# Allegro board WeChat_ZM_PART_20200601.brd (continued)
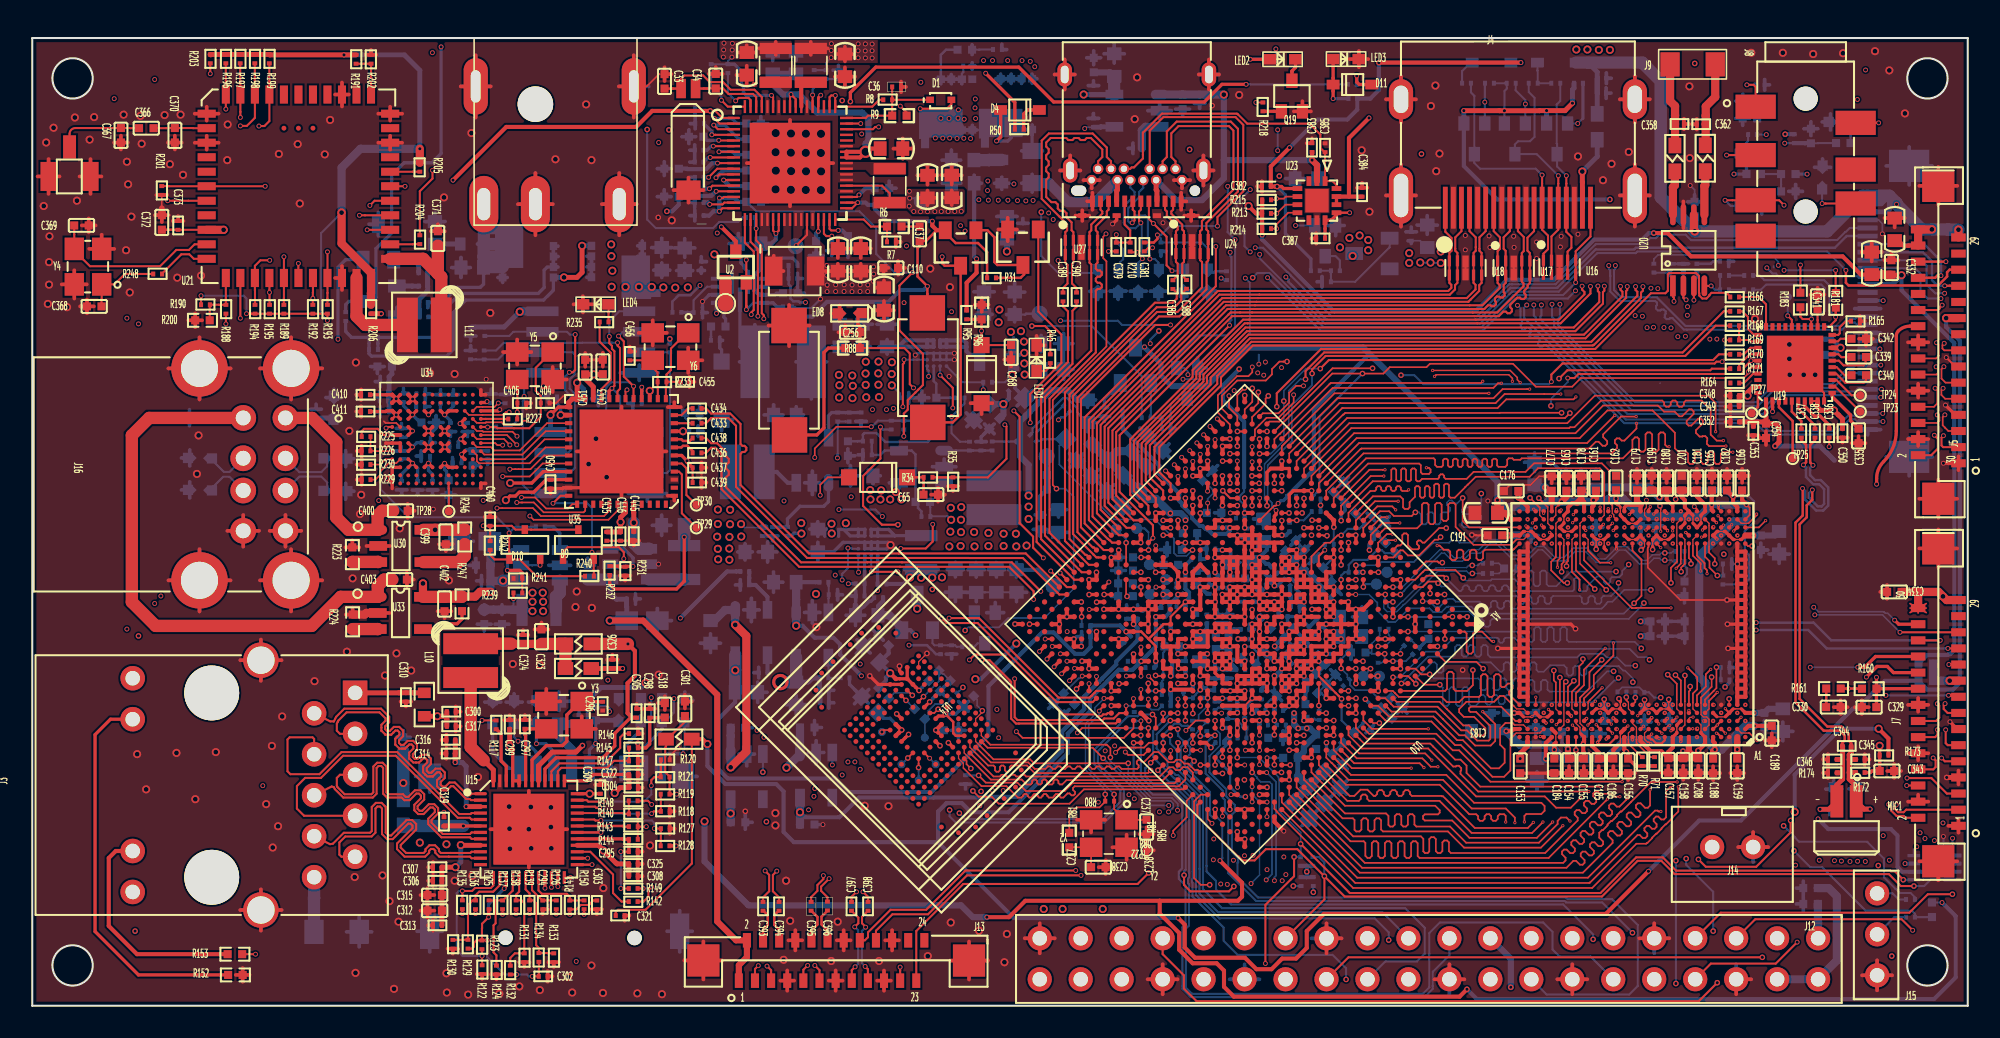
[diagram p0: board, top side]
## Routing (per net, layer and track width the routed paths; a pad name or vN(x,y) marks a point on that pad's centre or on a via; arc(x,y) is an arc through that point) (continued)
  SIG1 w0.076: 102.94,16.93 102.95,16.93 v3(102.95,17.18) 102.92,17.15 v4(102.92,16.92)
  SIG2 w0.076: v2(83.85,21.82) 84.61,22.58 85.14,22.58 88.77,18.95 90.16,18.95 90.27,18.83 90.27,18.15 90.55,17.88 91.03,17.88 91.3,18.15 91.3,18.83 91.42,18.95 95.39,18.95 96.73,17.61 98.68,17.61 99.11,18.04 102.18,18.04 102.64,17.58 102.64,17.23 102.71,17.17 102.71,17.13 v4(102.92,16.92)
  BOTTOM w0.102: R60.2 83.68,21.27 83.85,21.45 v2(83.85,21.82)
DDR1_CS0N: length 26.7
  TOP w0.102: v2(95.71,15.85) 95.71,16.47 95.71,16.47 U11.A22 ; U10.F12 v2(82.06,20.9)
  SIG2 w0.076: v2(95.71,15.85) 95.71,16.07 95.41,16.36 94.18,16.36 93.8,15.98 89.83,15.98 89.58,15.74 89.47,15.74 89.37,15.85 89.37,15.95 89.7,16.29 89.7,16.42 89.61,16.51 89.49,16.51 89.12,16.14 89,16.14 88.91,16.23 88.91,16.36 89.27,16.72 89.27,16.85 89.18,16.94 89.06,16.94 88.69,16.57 88.57,16.57 88.48,16.66 88.48,16.79 88.84,17.15 88.84,17.28 88.75,17.37 88.62,17.37 88.26,17.01 88.14,17.01 88.05,17.09 88.05,17.22 88.41,17.58 88.41,17.71 88.32,17.8 88.19,17.8 87.83,17.44 87.7,17.44 87.62,17.53 87.62,17.65 87.98,18.01 87.98,18.14 87.89,18.23 87.76,18.23 87.4,17.87 87.27,17.87 87.18,17.96 87.18,18.08 87.55,18.45 87.55,18.57 87.46,18.66 87.33,18.66 86.97,18.3 86.84,18.3 86.75,18.39 86.75,18.51 87.12,18.88 87.12,19 87.03,19.09 86.9,19.09 86.54,18.73 86.41,18.73 86.32,18.82 86.32,18.95 86.68,19.31 86.68,19.43 86.55,19.57 83.84,19.57 83.58,19.83 83.13,19.83 v2(82.06,20.9)
DDR1_CS1N: length 24.6
  TOP w0.076: v3(95.49,17.4) 95.71,17.18 U11.B22
  TOP w0.102: U10.A2 88.81,23.2 88.93,23.08 88.93,21.95 89.05,21.83 89.22,21.83 89.34,21.95 89.34,23.08 89.45,23.2 89.88,23.2 90.49,22.59 v3(90.6,22.59)
  SIG1 w0.076: v3(95.49,17.4) 95.61,17.51 95.61,17.89 95.3,18.19 95.3,19.16 93.31,21.15 93.31,22.17 93.4,22.26 93.54,22.26 93.62,22.35 93.62,22.48 93.54,22.57 93.4,22.57 93.31,22.66 93.31,22.78 93.4,22.87 93.54,22.87 93.62,22.96 93.62,23.09 93.54,23.18 93.4,23.18 93.31,23.27 93.31,23.57 93.23,23.65 93.12,23.65 93.04,23.57 93.04,22.67 92.97,22.59 92.86,22.59 92.78,22.67 92.78,23.57 92.7,23.65 92.59,23.65 92.51,23.57 92.51,22.67 92.43,22.59 92.32,22.59 92.24,22.67 92.24,23.57 92.17,23.65 92.06,23.65 91.98,23.57 91.98,22.67 91.9,22.59 91.79,22.59 91.71,22.67 91.71,23.57 91.63,23.65 91.52,23.65 91.44,23.57 91.44,22.67 91.37,22.59 91.26,22.59 91.18,22.67 91.18,23.57 91.1,23.65 90.99,23.65 90.91,23.57 90.91,22.67 90.83,22.59 v3(90.6,22.59)
DDR1_CS2N: length 26.8
  TOP w0.102: U10.F11 v2(82.51,21.36)
  SIG1 w0.076: 103.21,16.36 v4(103.17,16.32) ; 103.21,16.36 v3(103.21,16.66) ; 103.21,16.36 103.21,16.36 103.21,16.65
  SIG2 w0.076: v4(103.17,16.32) 101.97,16.32 101.06,17.23 96.58,17.23 96.43,17.38 94.8,17.38 93.7,16.28 91.08,16.28 89.8,17.56 89.67,17.56 89.4,17.29 89.27,17.29 89.19,17.38 89.19,17.5 89.46,17.78 89.46,17.9 89.37,17.99 89.24,17.99 88.97,17.72 88.84,17.72 88.75,17.81 88.75,17.94 89.03,18.21 89.03,18.34 88.94,18.43 88.81,18.43 88.6,18.22 88.49,18.22 86.28,20.43 84.75,20.43 84.49,20.68 84.07,20.68 83.39,21.36 v2(82.51,21.36)
DDR1_CS3N: length 24.4
  TOP w0.076: U11.B7 103.25,17.2 v3(103.25,17.2)
  TOP w0.102: U10.B3 v2(87.58,22.74)
  SIG1 w0.076: v3(103.25,17.2) 103.4,17.36 103.4,18.17 102.08,19.49 v4(100.69,19.49)
  SIG2 w0.076: v2(87.58,22.74) 87.58,21.29 89.24,19.64 89.36,19.64 89.45,19.73 89.45,20.08 89.54,20.17 89.67,20.17 89.76,20.08 89.76,19.73 89.85,19.64 89.97,19.64 90.06,19.73 90.06,20.08 90.15,20.17 90.28,20.17 90.37,20.08 90.37,19.73 90.46,19.64 90.58,19.64 90.67,19.73 90.67,20.08 90.76,20.17 90.89,20.17 90.98,20.08 90.98,19.73 91.06,19.64 91.19,19.64 91.28,19.73 91.28,20.08 91.37,20.17 91.5,20.17 91.59,20.08 91.59,19.73 91.67,19.64 91.8,19.64 91.89,19.73 91.89,20.08 91.98,20.17 92.11,20.17 92.19,20.08 92.19,19.73 92.28,19.64 95.64,19.64 95.79,19.49 100.48,19.49 v4(100.69,19.49)
DDR1_D0: length 22.3
  TOP w0.102: U10.B15 82.07,17.22 82.73,16.56 86.92,16.56 88.22,15.26 88.55,15.26 88.93,14.89 88.93,14.43 89.77,13.59 v3(97.22,13.59)
  SIG1 w0.076: v3(98.73,17.65) 98.91,17.46 98.91,16.37 98.91,16.37 98.91,16.34 98.52,15.95 98.52,14.89 98.35,14.72 98.35,14.56 98.27,14.48 98.11,14.48 v3(97.22,13.59)
DDR1_D1: length 22.6
  TOP w0.102: U10.A15 82.89,16.86 87.05,16.86 88.08,15.84 88.46,15.84 90.41,13.89 v3(98.57,13.89)
  SIG1 w0.076: v3(98.57,13.89) 99.11,14.43 99.11,15.59 99.19,15.67 99.19,16.25 99.19,16.26 99.19,17.57 98.71,18.06 v3(98.71,18.66)
DDR1_D2: length 22.3
  TOP w0.102: v3(96,12.89) 95.39,12.28 94.48,12.28 93.78,12.98 89.52,12.98 86.55,15.95 82.44,15.95 81.61,16.78 U10.B16
  SIG1 w0.076: v3(98.27,17.15) 98.27,17.14 98.35,17.06 98.35,16.6 97.97,16.22 97.97,16.19 97.96,16.18 97.96,15.22 96.23,13.49 96.23,12.98 96.14,12.89 v3(96,12.89)
DDR1_D3: length 22.1
  TOP w0.102: v3(96.51,13.28) 89.64,13.28 88.55,14.38 88.55,14.55 88.6,14.59 88.6,14.74 88.45,14.88 88.31,14.88 88.26,14.83 88.09,14.83 86.85,16.08 86.67,16.25 82.58,16.25 U10.A16
  SIG1 w0.076: v3(96.51,13.28) 96.94,13.71 96.94,13.81 98.24,15.11 98.24,16.06 98.46,16.29 98.63,16.45 98.63,16.48 98.63,16.49 98.63,17.17 98.63,17.18 98.63,17.29 98.38,17.54 98.38,17.99 v3(98.21,18.16)
DDR1_D4: length 21.5
  TOP w0.102: v3(96.97,17.42) 97.07,17.32 97.07,17.3 U11.B19 ; U10.B17 81.15,16.31 82.12,15.34 86.18,15.34 86.7,14.82 v3(87.15,14.82)
  SIG1 w0.076: v3(96.97,17.42) 96.97,17.1 96.49,16.63 96.49,16.04 95.42,14.97 91.55,14.97 91.48,15.03 91.48,15.08 91.41,15.14 91.32,15.14 91.25,15.08 91.25,15.03 91.18,14.97 90.86,14.97 90.82,15.01 90.02,15.01 89.52,15.5 89.39,15.5 89.3,15.42 89.3,15.06 89.22,14.97 89.09,14.97 89,15.06 89,15.42 88.91,15.5 88.78,15.5 88.7,15.42 88.7,15.06 88.61,14.97 88.48,14.97 88.39,15.06 88.39,15.42 88.3,15.5 88.17,15.5 88.09,15.42 88.09,15.06 88,14.97 87.73,14.97 87.58,14.82 v3(87.15,14.82)
DDR1_D5: length 21.2
  TOP w0.102: U10.A17 81.85,16.06 82.27,15.65 86.36,15.65 v3(86.78,15.23)
  SIG1 w0.076: v3(86.78,15.23) 86.78,16.1 86.77,16.1 86.86,16.19 86.99,16.19 87.08,16.1 87.08,15.7 87.17,15.61 87.29,15.61 87.38,15.7 87.38,16.1 87.47,16.19 87.6,16.19 87.69,16.1 87.69,15.87 87.78,15.78 87.9,15.78 87.99,15.87 87.99,16.1 88.08,16.19 88.21,16.19 88.3,16.1 88.3,15.87 88.39,15.78 88.51,15.78 88.6,15.87 88.6,16.1 88.69,16.19 88.82,16.19 88.91,16.1 88.91,15.87 89,15.78 89.12,15.78 89.21,15.87 89.21,16.1 89.3,16.19 89.43,16.19 89.52,16.1 89.52,15.87 89.61,15.78 93.06,15.78 93.81,15.78 94.24,16.21 95.65,16.21 96.69,17.25 96.69,17.63 97.04,17.98 97.04,17.98 v3(97.21,18.16)
DDR1_D6: length 21.2
  TOP w0.102: v3(96.45,17.4) 96.55,17.51 96.56,17.51 96.57,17.52 96.57,17.52 U11.C20 ; U10.A18 81.96,15.04 86.02,15.04 v3(86.29,14.77)
  SIG1 w0.076: v3(86.29,14.77) 85.88,14.77 85.8,14.84 85.8,15.25 85.89,15.34 86.25,15.34 86.33,15.43 86.33,15.55 86.25,15.64 85.89,15.64 85.8,15.73 85.8,15.86 85.89,15.95 86.25,15.95 86.33,16.04 86.33,16.16 86.25,16.25 85.89,16.25 85.8,16.34 85.8,16.42 85.91,16.53 89.58,16.53 90.05,16.06 93.17,16.06 93.69,16.06 94.12,16.49 95.4,16.49 96.31,17.4 v3(96.45,17.4)
DDR1_D7: length 21.5
  TOP w0.076: v3(96.91,18.88) 96.71,18.68 U11.E20
  TOP w0.102: v3(85.5,14.73) 81.81,14.73 80.69,15.85 U10.B18
  SIG1 w0.076: v3(85.5,14.73) 85.5,16.56 85.75,16.81 89.75,16.81 90.06,16.51 90.22,16.34 93.58,16.34 94,16.77 95.27,16.77 96.24,17.74 96.24,18.95 96.42,19.12 96.67,19.12 v3(96.91,18.88)
DDR1_D8: length 14.5
  TOP w0.102: U11.E29 91.56,19.31 91.56,19.47 91.78,19.69 91.78,19.86 91.66,19.98 91.49,19.98 91.28,19.76 91.11,19.76 91.04,19.83 91.04,20.43 90.92,20.55 90.75,20.55 90.63,20.43 90.63,19.27 90.51,19.15 90.34,19.15 90.22,19.27 90.22,20.43 90.1,20.55 89.94,20.55 89.82,20.43 89.82,19.27 89.7,19.15 88.79,19.15 88.47,18.83 87.7,18.83 87.38,19.15 84.72,19.15 84.5,19.38 84.49,19.38 84.35,19.52 U10.B11
DDR1_D9: length 14.3
  TOP w0.102: U11.C29 91.96,17.66 91.07,18.54 89.18,18.54 89.08,18.44 89.08,18.3 89.16,18.22 89.52,18.22 90.4,17.34 90.4,16.54 90.3,16.44 89.58,16.44 88.95,17.07 88.59,17.07 87.58,18.09 87.13,18.54 84.41,18.54 84.22,18.73 84.22,18.73 84.04,18.92 84.03,18.92 83.89,19.06 U10.B12
DDR1_D10: length 14.3
  TOP w0.076: U11.D28 92.46,18.41 92.03,18.41 91.87,18.57
  TOP w0.102: 91.87,18.57 91.23,19.21 91,19.21 90.64,18.85 89.07,18.85 88.92,18.85 88.47,18.39 88.47,18.2 88.76,17.91 89.39,17.91 90.09,17.21 90.09,16.9 89.94,16.74 89.71,16.74 89.07,17.38 88.72,17.38 87.7,18.39 87.25,18.85 84.58,18.85 U10.A11
DDR1_D11: length 14.3
  TOP w0.076: 91.9,17.41 92.46,17.41 U11.B28
  TOP w0.102: U10.B13 83.44,18.6 84.11,17.93 86.87,17.93 87.32,17.48 87.33,17.48 88.34,16.46 88.7,16.46 90.44,14.72 90.94,14.72 91.29,15.07 91.29,15.91 91.01,16.19 91.01,17.2 91.34,17.53 91.78,17.53 91.9,17.41
DDR1_D12: length 15.2
  TOP w0.102: U10.A12 84.06,18.45 84.27,18.24 87,18.24 87.45,17.79 87.45,17.79 88.47,16.77 88.82,16.77 89.46,16.13 90.42,16.13 90.7,16.41 90.7,17.46 v3(89.93,18.24)
  SIG1 w0.076: v3(93.71,18.16) 93.71,18.33 93.47,18.58 91.55,18.58 91.46,18.49 91.46,18.32 91.38,18.24 91.25,18.24 91.16,18.32 91.16,18.49 91.07,18.58 90.94,18.58 90.86,18.49 90.86,18.32 90.77,18.24 90.64,18.24 90.55,18.32 90.55,18.49 90.46,18.58 90.27,18.58 v3(89.93,18.24)
DDR1_D13: length 14.3
  TOP w0.076: 91.92,16.82 92,16.91 93.32,16.91 93.32,16.91 93.46,16.91 U11.B26
  TOP w0.102: U10.A13 83.88,17.71 83.9,17.71 83.98,17.63 86.75,17.63 88.21,16.16 88.57,16.16 90.53,14.2 91.26,14.2 91.64,14.58 91.64,16.55 91.92,16.82
DDR1_D14: length 13.4
  TOP w0.102: v2(83.52,17.53) 83.14,17.53 U10.A14
  SIG1 w0.076: v2(83.52,17.53) 83.52,17.74 84.1,18.32 88.19,18.32 88.28,18.41 88.28,18.66 88.37,18.75 88.5,18.75 88.59,18.66 88.59,18.41 88.68,18.32 88.8,18.32 88.89,18.41 88.89,18.66 88.98,18.75 89.11,18.75 89.2,18.66 89.2,18.41 89.29,18.32 89.39,18.32 89.95,18.88 93.98,18.88 v3(94.21,18.65)
DDR1_D15: length 13.6
  TOP w0.076: v3(94.21,17.66) U11.C25
  TOP w0.102: v3(86.55,17.17) 83.05,17.17 82.53,17.69 U10.B14
  SIG1 w0.076: v3(94.21,17.66) 94.11,17.56 94.03,17.56 93.93,17.46 93.93,17.34 93.98,17.3 93.98,17.17 93.89,17.08 93.76,17.08 93.72,17.13 93.59,17.13 93.26,16.79 92.83,16.79 92.66,16.62 92.52,16.62 92.35,16.79 92.22,16.79 92.05,16.62 91.91,16.62 91.74,16.79 91.6,16.79 91.43,16.62 90.33,16.62 89.79,17.17 v3(86.55,17.17)
DDR1_D16: length 35.6
  TOP w0.102: U10.A19 80.93,15.15 81.76,14.31 87.67,14.31 89.4,12.58 93.56,12.58 93.77,12.38 93.77,12.09 93.56,11.89 92.63,11.89 92.51,11.77 v3(92.51,11.4)
  SIG1 w0.076: v3(106.21,17.66) 106.1,17.54 106.1,16.45 106.32,16.22 106.32,15.01 101.36,10.04 101.33,10.04 101.28,9.99 93.91,9.99 92.73,11.18 92.73,11.18 v3(92.51,11.4)
DDR1_D17: length 35.5
  TOP w0.102: U10.B19 80.23,15.39 80.56,15.06 80.57,15.06 80.74,14.88 80.74,14.87 81.61,14.01 87.47,14.01 89.24,12.23 91.36,12.23 91.92,11.66 v3(91.92,11.35)
  SIG1 w0.076: v3(91.92,11.35) 92.02,11.25 93.56,9.71 100.54,9.71 101.43,9.71 106.6,14.89 106.6,17.07 106.43,17.25 106.43,17.48 106.49,17.54 106.49,17.77 106.38,17.89 106.38,18.5 v3(106.21,18.66)
DDR1_D18: length 35.6
  TOP w0.076: U11.B2 105.96,16.91 106.42,16.91
  TOP w0.102: v3(106.93,16.44) 106.46,16.91 106.42,16.91 ; v3(91.35,11.39) 91.35,11.77 91.25,11.87 90.98,11.87 90.86,11.75 90.86,11.59 90.74,11.47 90.57,11.47 90.45,11.59 90.45,11.75 90.33,11.87 90.17,11.87 90.05,11.75 90.05,11.59 89.93,11.47 89.76,11.47 89.64,11.59 89.64,11.75 89.52,11.87 89.09,11.87 87.26,13.7 81.45,13.7 U10.A20
  SIG1 w0.076: v3(106.93,16.44) 106.93,14.83 101.54,9.43 100.42,9.43 93.31,9.43 v3(91.35,11.39)
DDR1_D19: length 35.8
  TOP w0.102: U10.B20 79.77,14.92 81.68,13.01 81.97,13.01 82.36,13.4 82.78,13.4 83.17,13.01 83.27,13.01 83.39,13.13 83.39,13.25 83.51,13.37 83.67,13.37 83.79,13.25 83.79,13.13 83.91,13.01 84.08,13.01 84.2,13.13 84.2,13.25 84.32,13.37 84.49,13.37 84.61,13.25 84.61,13.13 84.72,13.01 84.89,13.01 85.01,13.13 85.01,13.25 85.13,13.37 85.3,13.37 85.42,13.25 85.42,13.13 85.54,13.01 87.38,13.01 87.4,12.98 87.47,12.98 89.43,11.02 92.72,11.02 v3(93.07,11.37)
  SIG1 w0.076: v3(93.07,11.37) 93.21,11.22 93.21,11.22 94.16,10.27 101.16,10.27 101.21,10.32 101.25,10.32 106.05,15.12 106.05,16.11 105.82,16.34 105.82,18.05 v3(105.71,18.16)
DDR1_D20: length 32.6
  TOP w0.102: U11.B4 104.86,17.01 104.86,17 v3(104.97,16.9) ; U10.A21 81.53,12.71 82.25,12.71 82.36,12.82 82.36,12.97 82.48,13.09 82.65,13.09 82.77,12.97 82.77,12.82 82.89,12.71 87.25,12.71 89.24,10.72 92.99,10.72 v3(93.66,11.39)
  SIG1 w0.076: v3(93.66,11.39) 93.91,11.15 93.91,11.14 94.5,10.55 101.05,10.55 101.1,10.6 101.13,10.6 105.33,14.81 105.33,16.4 104.97,16.76 v3(104.97,16.9)
DDR1_D21: length 36
  TOP w0.102: v3(94.26,11.39) 93.28,10.41 89.11,10.41 88.03,11.49 86.33,11.49 86.23,11.59 86.23,11.76 86.33,11.86 87.15,11.86 87.26,11.97 87.26,12.12 86.98,12.4 81.38,12.4 79.83,13.95 79.31,14.48 U10.B21
  SIG1 w0.076: v3(94.26,11.39) 94.82,10.83 94.82,10.83 100.87,10.83 100.92,10.88 101.02,10.88 105.05,14.92 105.05,16.24 104.67,16.62 104.67,17.26 104.82,17.41 104.82,18.05 v3(104.72,18.16)
DDR1_D22: length 36.2
  TOP w0.102: v3(94.9,11.16) 93.54,9.8 88.78,9.8 87.77,10.81 83.75,10.81 83.63,10.93 83.63,11.5 83.51,11.62 83.34,11.62 83.22,11.5 83.22,10.93 83.1,10.81 82.93,10.81 82.81,10.93 82.81,11.5 82.69,11.62 82.53,11.62 82.41,11.5 82.41,10.93 82.29,10.81 82.08,10.81 81.98,10.91 81.98,11.52 81.88,11.62 81.24,11.62 78.85,14.01 U10.B22
  SIG1 w0.076: v3(94.9,11.16) 100.9,11.16 104.78,15.04 104.78,16.03 104.17,16.64 104.17,16.98 104.21,17.03 v3(104.21,17.66)
DDR1_D23: length 35.4
  TOP w0.102: v3(95.34,11.45) 95.12,11.67 94.78,11.67 94.57,11.46 94.57,11.27 93.41,10.11 88.9,10.11 87.9,11.11 85.81,11.11 85.69,11.23 85.69,11.75 85.57,11.87 85.41,11.87 85.29,11.75 85.29,11.23 85.17,11.11 85,11.11 84.88,11.23 84.88,11.75 84.76,11.87 84.59,11.87 84.47,11.75 84.47,11.23 84.36,11.11 84.19,11.11 84.08,11.21 84.08,11.77 83.93,11.92 81.39,11.92 79.55,13.77 U10.A22
  SIG1 w0.076: v3(104.27,18.65) 103.89,18.27 103.89,14.54 100.79,11.45 100.31,11.45 100.31,11.45 99.78,11.45 v3(95.34,11.45)
DDR1_D24: length 35
  TOP w0.102: v3(98.43,12.96) 98.09,12.96 97.9,13.14 97.2,13.14 97.07,13.28 96.9,13.28 96.78,13.16 96.78,12.99 96.97,12.81 96.97,12.64 96.85,12.52 96.68,12.52 96.49,12.7 96.32,12.7 96.21,12.59 96.21,12.42 96.39,12.23 96.39,12.06 96.27,11.94 96.11,11.94 95.92,12.13 95.75,12.13 95.63,12.01 95.63,11.84 95.82,11.66 95.82,11.49 93.8,9.47 87.95,9.47 87.83,9.59 87.83,10.13 87.71,10.25 87.55,10.25 87.43,10.13 87.43,9.59 87.31,9.47 87.14,9.47 87.02,9.59 87.02,10.33 86.9,10.45 86.73,10.45 86.61,10.33 86.61,9.57 86.51,9.47 86.35,9.47 86.25,9.57 86.25,10.35 86.09,10.5 81.9,10.5 U10.A23
  SIG1 w0.076: v3(98.43,12.96) 98.62,12.96 99.75,14.09 99.75,16.02 99.75,16.02 99.75,17.17 100,17.42 100,17.98 99.93,18.04 99.93,18.44 v3(99.71,18.66)
DDR1_D25: length 36.6
  TOP w0.102: v3(97.66,12.81) 97.55,12.71 97.55,12.7 94.02,9.16 86.01,9.16 85.89,9.28 85.89,10.08 85.78,10.2 85.61,10.2 85.49,10.08 85.49,9.28 85.37,9.16 85.2,9.16 85.08,9.28 85.08,10.08 84.96,10.2 84.79,10.2 84.68,10.08 84.68,9.28 84.56,9.16 84.39,9.16 84.27,9.28 84.27,10.08 84.15,10.2 83.98,10.2 83.86,10.08 83.86,9.28 83.74,9.16 83.58,9.16 83.46,9.28 83.46,10.08 83.34,10.2 83.17,10.2 83.05,10.08 83.05,9.28 82.93,9.16 82.78,9.16 82.65,9.3 82.65,10.1 82.55,10.2 81.73,10.2 78.39,13.54 U10.B23
  SIG1 w0.076: v3(99.71,17.66) 99.52,17.46 99.52,17.33 99.47,17.29 99.47,16.14 99.47,16.13 99.47,14.39 99.44,14.37 99.44,14.23 98.51,13.3 98.15,13.3 97.76,12.91 97.76,12.91 v3(97.66,12.81)
DDR1_D26: length 34.7
  TOP w0.102: v3(98.94,12.88) 98.83,12.77 98.83,12.77 98.41,12.35 98.24,12.35 98.05,12.53 97.88,12.53 97.76,12.42 97.76,12.25 97.95,12.06 97.95,11.89 97.82,11.76 97.65,11.76 97.43,11.98 97.26,11.98 97.14,11.86 97.14,11.69 97.36,11.47 97.36,11.31 97.24,11.19 97.08,11.19 96.86,11.41 96.69,11.41 96.57,11.29 96.57,11.12 96.79,10.9 96.79,10.73 96.67,10.61 96.5,10.61 96.28,10.83 96.11,10.83 95.99,10.71 95.99,10.54 96.21,10.32 96.21,10.16 96.1,10.04 95.93,10.04 95.71,10.26 95.54,10.26 95.42,10.14 95.42,9.97 95.64,9.75 95.64,9.58 95.52,9.46 95.35,9.46 95.13,9.68 94.96,9.68 94.85,9.56 94.85,9.39 95.06,9.18 95.06,9.01 94.92,8.86 82.62,8.86 78.63,12.85 U10.A24
  SIG1 w0.076: v3(100.21,18.16) 100.31,18.06 100.31,17.32 100.24,17.25 100.23,17.25 100.05,17.08 100.05,15.93 100.03,15.9 100.03,13.97 99.97,13.92 99.97,13.92 v3(98.94,12.88)
DDR1_D27: length 34.9
  TOP w0.076: v3(100.35,16.24) 100.25,16.34 100.15,16.34 99.96,16.53 99.96,16.91 U11.B13
  TOP w0.102: v3(100.3,13.39) 100.3,12.42 100.16,12.28 99.99,12.28 99.72,12.55 99.55,12.55 99.43,12.43 99.43,12.26 99.71,11.99 99.71,11.82 99.59,11.7 99.42,11.7 99.14,11.98 98.97,11.98 98.85,11.86 98.85,11.69 99.13,11.41 99.13,11.24 99.01,11.13 98.84,11.13 98.57,11.4 98.4,11.4 98.28,11.28 98.28,11.11 98.56,10.84 98.56,10.67 98.44,10.55 98.27,10.55 97.99,10.83 97.82,10.83 97.71,10.71 97.71,10.54 97.98,10.26 97.98,10.1 96.14,8.25 82.31,8.25 78.08,12.48 U10.A25
  SIG1 w0.076: v3(100.35,16.24) 100.35,16.11 100.33,16.09 100.33,13.88 100.28,13.83 100.28,13.55 100.3,13.53 v3(100.3,13.39)
DDR1_D28: length 36
  TOP w0.102: v3(101.98,13.87) 100.36,13.87 99.13,12.65 99.13,12.64 98.53,12.04 98.47,12.04 98.25,11.82 98.25,11.77 97.95,11.46 97.89,11.46 97.67,11.24 97.67,11.18 97.37,10.88 97.31,10.88 97.15,10.72 97.15,10.42 97.39,10.18 97.39,10.01 97.27,9.89 97.1,9.89 96.87,10.13 96.7,10.13 96.58,10.01 96.58,9.85 96.82,9.61 96.82,9.44 96.7,9.32 96.53,9.32 96.29,9.56 96.12,9.56 96,9.44 96,9.27 96.24,9.03 96.24,8.86 96.12,8.74 95.96,8.74 95.72,8.98 95.55,8.98 95.12,8.56 82.45,8.56 77.93,13.07 U10.B24
  SIG1 w0.076: v3(101.98,13.87) 101.98,14.01 102.01,14.04 102.01,17.37 v3(101.22,18.16)
DDR1_D29: length 35.4
  TOP w0.076: U11.B11 101.43,17.38 v3(101.52,17.38)
  TOP w0.102: U10.A26 82.02,7.61 96.53,7.61 96.55,7.64 96.58,7.64 99.53,10.58 99.67,10.58 99.85,10.4 100.01,10.4 100.13,10.52 100.13,10.69 99.95,10.87 99.95,11.01 100.1,11.16 100.24,11.16 100.42,10.98 100.59,10.98 100.71,11.09 100.71,11.26 100.53,11.44 100.53,11.58 100.68,11.73 100.81,11.73 101,11.55 101.16,11.55 101.3,11.68 101.3,13.3 101.55,13.55 v3(101.7,13.55)
  SIG1 w0.076: v3(101.7,13.55) 101.7,13.69 101.7,13.69 101.7,14.13 101.73,14.15 101.73,17.18 v3(101.52,17.38)
DDR1_D30: length 35.7
  TOP w0.076: U11.E10 v3(101.71,18.66)
  TOP w0.102: v3(100.97,12.04) 100.82,12.04 100.77,12.1 100.61,12.1 96.45,7.94 82.14,7.94 77.47,12.61 U10.B25
  SIG1 w0.076: v3(100.97,12.04) 102.84,13.92 102.84,13.97 102.98,14.1 102.98,16.11 102.57,16.52 102.57,17.7 102.48,17.78 102.48,17.97 101.89,18.56 101.81,18.56 v3(101.71,18.66)
DDR1_D31: length 36.3
  TOP w0.076: U11.C10 101.85,17.8 101.87,17.8 v3(101.97,17.9)
  TOP w0.102: U10.B26 77.01,12.21 77.16,12.06 77.16,12.04 81.89,7.3 96.71,7.3 99.45,10.04 100.06,10.04 100.11,10.1 100.14,10.1 100.44,10.39 100.44,10.43 100.68,10.67 100.72,10.67 101.01,10.97 101.01,11 101.26,11.25 101.29,11.25 101.7,11.66 101.7,11.69 102.06,12.04 v3(102.06,13.57)
  SIG1 w0.076: v3(102.06,13.57) 102.08,13.59 102.1,13.59 102.26,13.76 102.26,13.78 102.69,14.21 102.69,16 102.29,16.41 102.29,17.58 v3(101.97,17.9)
DDR1_DM0: length 22.6
  TOP w0.102: U10.E17 v2(80.22,18.14)
  SIG1 w0.076: v3(97.71,18.66) 97.71,18.52 97.71,18.52 97.71,17.81 97.25,17.34 97.25,16.99 96.77,16.52 96.77,15.93 95.41,14.56 95.01,14.56 94.78,14.33 91.1,14.33 90.85,14.58 90.7,14.73 89.64,14.73 89.39,14.49 85.18,14.49 83.35,16.32 82.84,16.32 81.02,18.14 v2(80.22,18.14)
DDR1_DM1: length 13.2
  TOP w0.076: v3(93.22,19.13) 93.22,18.66 U11.E27
  TOP w0.102: U10.E14 v2(81.6,19.52)
  SIG1 w0.076: v3(93.22,19.13) 93.09,19.26 88.31,19.26 87.98,18.93 86.58,18.93 86.39,19.13 84.66,19.13 83.96,19.83 83.04,19.83 82.74,19.52 v2(81.6,19.52)
DDR1_DM2: length 31.9
  TOP w0.076: U11.E3 105.21,18.66 v2(105.21,19.03)
  TOP w0.102: U10.E20 v2(78.84,16.76)
  SIG1 w0.076: v4(90.25,13.7) 90,13.45 85.3,13.45 84.62,13.45 82.92,15.14 82.61,15.14 82.61,15.14 80.85,15.14 79.22,16.76 v2(78.84,16.76)
  SIG2 w0.076: v4(90.25,13.7) 95.08,13.7 95.23,13.85 96.65,13.85 97.61,14.81 102.77,14.81 103.86,15.91 103.86,17.68 v2(105.21,19.03)
DDR1_DM3: length 33.3
  TOP w0.102: U10.E23 v2(77.01,14.94)
  SIG1 w0.076: v2(77.01,14.94) 77.13,14.82 77.13,13.94 79.33,11.73 99.93,11.73 100.25,11.73 101.5,12.98 101.5,13.36 101.42,13.43 101.42,17.05 101.22,17.25 101.22,17.63 101.14,17.71 100.94,17.91 100.94,18.43 v3(100.71,18.66)
DDR1_DQS0M: length 21.8
  TOP w0.089: v2(80.69,17.68) U10.D17 ; U11.C18 97.9,17.47 v3(97.9,17.46)
  SIG1 w0.076: v2(80.69,17.68) 80.94,17.68 82.68,15.94 83.19,15.94 85.02,14.11 89.55,14.11 89.75,14.31 90.59,14.31 91.02,13.87 91.31,13.87 91.4,13.79 91.64,13.79 91.72,13.87 94.86,13.87 95.08,14.09 95.29,14.09 95.3,14.11 95.49,14.11 97.28,15.89 97.28,16.48 97.63,16.83 97.63,17.19 v3(97.9,17.46)
DDR1_DQS0P: length 22.1
  TOP w0.102: U10.D18 v2(80.23,17.22) ; v3(97.97,16.9) 97.86,17.01 97.86,17.01 U11.B18
  SIG1 w0.076: v3(97.97,16.9) 97.97,16.76 97.56,16.35 97.56,15.78 95.61,13.83 95.42,13.83 95.41,13.81 95.19,13.81 94.97,13.59 91.84,13.59 91.75,13.51 91.28,13.51 91.19,13.59 90.9,13.59 90.65,13.85 90.47,14.03 89.87,14.03 89.67,13.83 85.14,13.83 84.91,13.83 83.11,15.63 82.58,15.63 80.98,17.22 v2(80.23,17.22)
DDR1_DQS1M: length 13.3
  TOP w0.102: U10.D14 v2(82.07,19.06)
  SIG1 w0.076: v2(82.07,19.06) 82.22,18.91 82.24,18.91 82.93,18.22 82.93,17.58 83.46,17.05 83.76,17.05 84.57,17.85 91.55,17.85 91.9,17.51 93.03,17.51 v3(93.18,17.66)
DDR1_DQS1P: length 13.7
  TOP w0.089: U10.D15 v2(81.61,18.6)
  SIG1 w0.076: v2(81.61,18.6) 82.1,18.6 82.6,18.1 82.6,17.52 83.18,16.93 83.35,16.77 83.88,16.77 84.68,17.57 91.44,17.57 91.79,17.23 93.14,17.23 v3(93.21,17.16)
DDR1_DQS2M: length 32.7
  TOP w0.102: U10.D20 v2(78.39,16.3)
  SIG1 w0.076: v2(78.39,16.3) 78.39,15.48 79.1,14.77 80.68,14.77 80.69,14.76 82.77,14.76 84.46,13.07 84.59,13.07 94.99,13.07 v4(95.35,13.43) ; v4(105.46,17.58) 105.38,17.66 v3(105.21,17.66) 105.26,17.61
  SIG2 w0.076: v4(105.46,17.58) 105.28,17.4 105.24,17.4 104.88,17.04 104.88,15.46 104.88,15.34 104.88,15.22 104.08,14.43 97.77,14.43 96.66,13.32 95.46,13.32 95.35,13.43 v4(95.35,13.43)
DDR1_DQS2P: length 32.8
  TOP w0.102: U10.D21 v2(77.93,15.85)
  SIG1 w0.076: v4(105.47,17.1) 105.42,17.16 v3(105.21,17.16) ; v2(77.93,15.85) 77.93,15.54 78.98,14.49 80.57,14.49 80.57,14.48 82.65,14.48 84.35,12.79 84.48,12.79 95.21,12.79 ; 95.21,12.79 95.21,12.79 v4(95.35,12.93) ; 95.21,12.79 95.35,12.93
  SIG2 w0.076: 105.49,17.09 v4(105.47,17.1) 105.46,17.12 105.35,17.12 105.16,16.92 105.16,15.57 105.16,15.46 105.16,15.11 104.2,14.15 97.89,14.15 96.78,13.04 95.46,13.04 v4(95.35,12.93) 95.35,12.93
DDR1_DQS3M: length 33.5
  TOP w0.089: U11.C12 100.84,17.53 v3(100.84,17.47)
  TOP w0.102: v2(77.99,14.93) U10.D23
  SIG1 w0.076: v2(77.99,14.93) 78.25,14.67 78.25,14.61 78.8,14.06 79.46,14.06 79.76,13.76 79.76,12.87 79.89,12.74 80.08,12.74 80.21,12.87 80.21,13.76 80.51,14.06 80.93,14.06 81.23,13.76 81.23,12.87 81.36,12.74 81.55,12.74 81.69,12.87 81.69,13.76 81.98,14.06 82.22,14.06 82.22,14.06 82.45,14.06 84.11,12.39 99.98,12.39 100.75,13.16 100.75,17.37 v3(100.84,17.47)
DDR1_DQS3P: length 33.9
  TOP w0.102: U10.D24 v2(77.45,14.47) ; U11.B12 100.85,17.02 100.91,17.02 v3(101.04,16.9)
  SIG1 w0.076: v2(77.45,14.47) 77.97,14.47 78.66,13.78 79.34,13.78 79.48,13.64 79.48,12.75 79.77,12.46 80.19,12.46 80.49,12.75 80.49,13.64 80.63,13.78 80.81,13.78 80.95,13.64 80.95,12.75 81.25,12.46 81.67,12.46 81.96,12.75 81.96,13.64 82.1,13.78 82.33,13.78 84,12.11 100.09,12.11 101.04,13.06 v3(101.04,16.9)
DDR1_ODT0: length 15.3
  TOP w0.102: v2(104.42,20.99) 104.42,19.7 104.24,19.52 104.24,19.51 103.71,18.98 U11.E6 ; v3(98.03,22.49) 98.03,21.71 96.81,20.49 96.81,19.67 96.21,19.06 96.21,18.66 U11.E21
  SIG1 w0.076: v2(104.42,20.99) 104.27,21.14 104.18,21.14 104.18,21.14 104.01,21.14 102.66,22.49 v3(98.03,22.49)
  BOTTOM w0.102: R66.1 104.68,20.41 R67.1 104.43,20.97 v2(104.42,20.99)
DQ2: length 10.7
  BOTTOM w0.127: U37.3 39.35,33.03 39.53,33.21 R236.1 38.83,40.51 38.82,40.52 U38.3
DQ3: length 14.8
  TOP w0.127: v1(33.66,41.62) 33.66,41.27 33.66,41.27 33.66,40.28 33.66,40.27 33.66,39.42 33.51,39.27 v1(33.3,39.27)
  BOTTOM w0.127: v1(33.3,39.27) 33.05,39.02 33.05,38.16 33.37,37.84 33.37,34.43 33.24,34.3 U37.7 ; v1(33.66,41.62) 33.32,41.62 33.15,41.79 U38.7 29.83,41.79 29.57,41.53 R237.1
DVP_PDN0_H: length 68.5
  TOP w0.152: J5.25 118.87,45.63 118.72,45.48 118.72,45.21 118.16,44.66 112.61,44.66 112.45,44.82 v1(112.45,45.6)
  TOP w0.203: U10.AD9 v1(74.28,30.55)
  SIG1 w0.102: v1(75.98,39.24) 75.76,39.02 75.01,39.02 73.81,37.83 73.81,35.1 74.1,34.81 74.1,34.57 73.38,33.85 73.38,32.82 74.12,32.09 74.12,30.71 v1(74.28,30.55)
  SIG2 w0.127: v1(76.1,46.59) 76.91,45.78 76.91,39.83 76.61,39.53 76.27,39.53 v1(75.98,39.24)
  BOTTOM w0.127: v1(76.1,46.59) 76.1,46.34 80.15,42.3 89.76,42.3 91.74,44.28 94.64,44.28 97.03,46.67 99.41,46.67 99.51,46.77 111.28,46.77 v1(112.45,45.6)
EDP_CABC_EN: length 74.8
  TOP w0.102: U10.N24 72.87,18.37 72.87,18.37 v2(72.87,18.14)
  TOP w0.127: J7.21 v1(118.83,21.16)
  SIG1 w0.102: 119.38,12.6 118.47,11.69 v1(118.47,11.33) ; v1(112.17,8.97) 110.03,6.84 109.85,6.84 109.83,6.83 109.41,6.83 109.36,6.77 80.28,6.77 79.77,6.27 72.61,6.27 71.91,6.96 70.71,6.96 69.91,7.76 69.91,11.48 69.61,11.79 69.61,12.73 70.42,13.55 70.42,15.21 72.71,17.5 72.71,17.98 v2(72.87,18.14)
  SIG1 w0.127: v1(118.83,21.16) 119.11,21.16 119.38,20.88 119.38,12.6
  SIG2 w0.102: v1(118.47,11.33) 116.46,11.33 115.14,10.01 113.21,10.01 v1(112.17,8.97)
